# KiCad board yddraig030.kicad_pcb (continued)
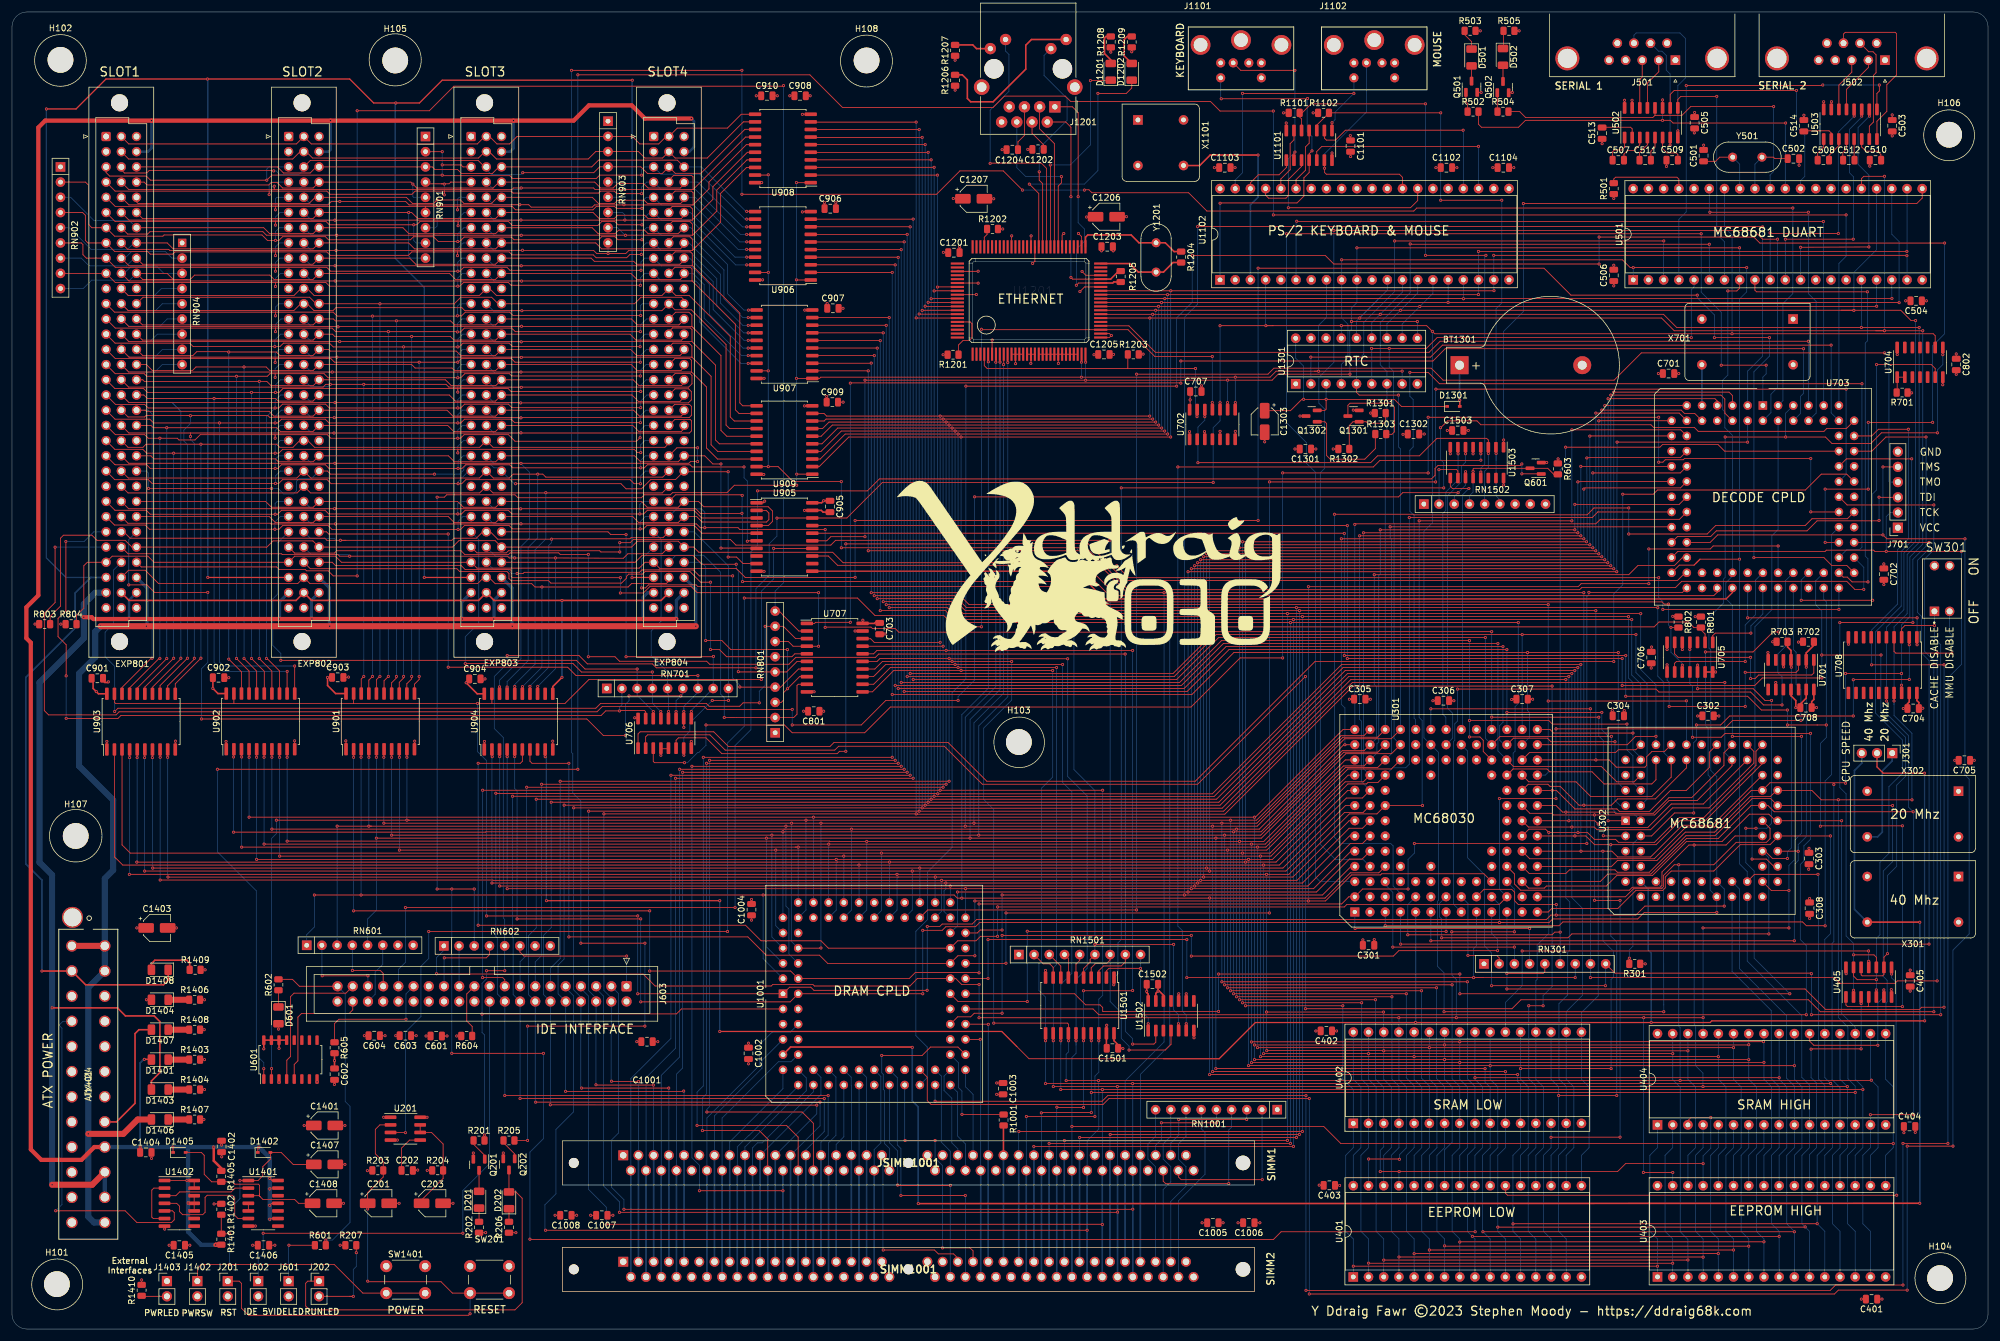
[diagram p0: board, top side]
## Nets (continued)
/ROM and SRAM/D3: JSIMM1001.8 SIMM1001.8 U301.M13 U302.68 U906.7
/ROM and SRAM/D4: JSIMM1001.20 SIMM1001.20 U301.L12 U302.67 U906.4
/ROM and SRAM/D5: JSIMM1001.22 SIMM1001.22 U301.K11 U302.66 U906.5
/ROM and SRAM/D6: JSIMM1001.24 SIMM1001.24 U301.M12 U302.65 U906.2
/ROM and SRAM/D7: JSIMM1001.26 SIMM1001.26 U301.L11 U302.64 U906.3
/ROM and SRAM/D8: JSIMM1001.49 SIMM1001.49 U301.N13 U302.62 U907.8
/ROM and SRAM/D9: JSIMM1001.51 SIMM1001.51 U301.M11 U302.60 U907.9
/ROM and SRAM/D10: JSIMM1001.53 SIMM1001.53 U301.L10 U302.59 U907.6
/ROM and SRAM/D11: JSIMM1001.55 SIMM1001.55 U301.N12 U302.58 U907.7
/ROM and SRAM/D12: JSIMM1001.57 SIMM1001.57 U301.M10 U302.57 U907.4
/ROM and SRAM/D13: JSIMM1001.61 SIMM1001.61 U301.N11 U302.56 U907.5
/ROM and SRAM/D14: JSIMM1001.63 SIMM1001.63 U301.M9 U302.55 U907.2
/ROM and SRAM/D15: JSIMM1001.65 SIMM1001.65 U301.N10 U302.54 U907.3
/ROM and SRAM/D16: J603.4 JSIMM1001.3 SIMM1001.3 U301.N9 U302.50 U401.13 U402.13 U908.9 U1201.95
/ROM and SRAM/D17: J603.6 JSIMM1001.5 SIMM1001.5 U301.M8 U302.49 U401.14 U402.14 U908.8 U1201.94
/ROM and SRAM/D18: J603.8 JSIMM1001.7 SIMM1001.7 U301.N8 U302.48 U401.15 U402.15 U908.7 U1201.93
/ROM and SRAM/D19: J603.10 JSIMM1001.9 SIMM1001.9 U301.N7 U302.47 U401.17 U402.17 U908.6 U1201.92
/ROM and SRAM/D20: J603.12 JSIMM1001.21 SIMM1001.21 U301.M7 U302.46 U401.18 U402.18 U908.5 U1201.91
/ROM and SRAM/D21: J603.14 JSIMM1001.23 SIMM1001.23 U301.N6 U302.45 U401.19 U402.19 U908.4 U1201.90
/ROM and SRAM/D22: J603.16 JSIMM1001.25 SIMM1001.25 U301.M6 U302.44 U401.20 U402.20 U908.3 U1201.88
/ROM and SRAM/D23: J603.18 JSIMM1001.27 SIMM1001.27 U301.N5 U302.42 U401.21 U402.21 U908.2 U1201.87
/ROM and SRAM/D24: J603.17 JSIMM1001.50 SIMM1001.50 U301.M5 U302.40 U403.13 U404.13 U501.25 U707.18 U708.18 U909.9 U1102.12 U1201.36 U1301.14 U1501.18
/ROM and SRAM/D25: J603.15 JSIMM1001.52 SIMM1001.52 U301.N4 U302.39 U403.14 U404.14 U501.16 U707.17 U708.17 U909.8 U1102.13 U1201.37 U1301.13 U1501.17
/ROM and SRAM/D26: J603.13 JSIMM1001.54 SIMM1001.54 U301.N3 U302.38 U403.15 U404.15 U501.24 U707.16 U708.16 U909.7 U1102.14 U1201.38 U1301.12 U1501.16
/ROM and SRAM/D27: J603.11 JSIMM1001.56 SIMM1001.56 U301.M4 U302.37 U403.17 U404.17 U501.17 U707.15 U909.6 U1102.15 U1201.39 U1301.11 U1501.15
/ROM and SRAM/D28: J603.9 JSIMM1001.58 SIMM1001.58 U301.N2 U302.36 U403.18 U404.18 U501.23 U707.14 U909.5 U1102.16 U1201.40 U1501.14
/ROM and SRAM/D29: J603.7 JSIMM1001.60 SIMM1001.60 U301.M3 U302.35 U403.19 U404.19 U501.18 U707.13 U909.4 U1102.17 U1201.41 U1501.13
/ROM and SRAM/D30: J603.5 JSIMM1001.62 SIMM1001.62 U301.L4 U302.34 U403.20 U404.20 U501.22 U707.12 U909.3 U1102.18 U1201.42 U1501.12
/ROM and SRAM/D31: J603.3 JSIMM1001.64 SIMM1001.64 U301.N1 U302.33 U403.21 U404.21 U501.19 U707.11 U909.2 U1102.19 U1201.43 U1501.11
/Serial/RXDA: R504.2 U501.31 U502.12
/Serial/TXDA: R502.2 U501.30 U502.11
Net-(BT1301-Pad1): BT1301.1 D1301.2
Net-(C201-Pad1): C201.1 J201.1 R203.2 SW201.2 U201.2
Net-(C202-Pad1): C202.1 U201.5
Net-(C203-Pad1): C203.1 R204.2 U201.6 U201.7
Net-(C501-Pad1): C501.1 U501.33 Y501.1
Net-(C502-Pad1): C502.1 U501.32 Y501.2
Net-(C507-Pad1): C507.1 U502.1
Net-(C507-Pad2): C507.2 U502.3
Net-(C508-Pad1): C508.1 U503.1
Net-(C508-Pad2): C508.2 U503.3
Net-(C509-Pad1): C509.1 U502.6
Net-(C510-Pad1): C510.1 U503.6
Net-(C511-Pad1): C511.1 U502.4
Net-(C511-Pad2): C511.2 U502.5
Net-(C512-Pad1): C512.1 U503.4
Net-(C512-Pad2): C512.2 U503.5
Net-(C513-Pad2): C513.2 U502.2
Net-(C514-Pad1): C514.1 U503.2
Net-(C1202-Pad1): C1202.1 J1201.R4
Net-(C1204-Pad1): C1204.1 J1201.R5
Net-(C1303-Pad1): C1303.1 D1301.1 Q1302.2 U1301.3 U1301.18
Net-(C1407-Pad1): C1407.1 D1402.2 R1402.1 U1401.1
Net-(C1408-Pad1): C1408.1 D1405.2 R1405.2 U1401.3
Net-(D201-Pad1): D201.1 R202.2
Net-(D201-Pad2): D201.2 Q201.3
Net-(D202-Pad1): D202.1 R206.2
Net-(D202-Pad2): D202.2 J202.1 Q202.3
Net-(D501-Pad1): D501.1 R503.1
Net-(D501-Pad2): D501.2 Q501.3
Net-(D502-Pad1): D502.1 R505.1
Net-(D502-Pad2): D502.2 Q502.3
Net-(D601-Pad1): D601.1 R602.1
Net-(D1201-Pad1): D1201.1 U1201.60
Net-(D1201-Pad2): D1201.2 R1208.2
Net-(D1202-Pad1): D1202.1 U1201.63
Net-(D1202-Pad2): D1202.2 R1209.2
Net-(D1401-Pad1): D1401.1 R1403.1
Net-(D1403-Pad1): D1403.1 R1404.1
Net-(D1404-Pad1): D1404.1 R1406.1
Net-(D1406-Pad1): D1406.1 R1407.1
Net-(D1407-Pad1): D1407.1 R1408.1
Net-(D1408-Pad2): D1408.2 R1409.1
Net-(J202-Pad2): J202.2 R207.2
Net-(J301-Pad1): J301.1 X302.8
Net-(J501-Pad2): J501.2 U502.13
Net-(J501-Pad3): J501.3 U502.14
Net-(J501-Pad7): J501.7 U502.7
Net-(J501-Pad8): J501.8 U502.8
Net-(J502-Pad2): J502.2 U503.13
Net-(J502-Pad3): J502.3 U503.14
Net-(J502-Pad7): J502.7 U503.7
Net-(J502-Pad8): J502.8 U503.8
Net-(J601-Pad1): J601.1 R601.1
Net-(J602-Pad1): J602.1 J603.20
Net-(J603-Pad1): J603.1 RN602.6
Net-(J603-Pad21): J603.21 R604.1
Net-(J603-Pad23): J603.23 RN602.2
Net-(J603-Pad25): J603.25 RN602.4
Net-(J603-Pad29): J603.29 R605.1
Net-(J603-Pad33): J603.33 RN601.4
Net-(J603-Pad35): J603.35 RN601.2
Net-(J603-Pad36): J603.36 RN601.6
Net-(J603-Pad37): J603.37 U601.4
Net-(J603-Pad38): J603.38 U601.5
Net-(J1101-Pad1): J1101.1 U1101.2 U1102.27
Net-(J1101-Pad5): J1101.5 U1101.4 U1102.1
Net-(J1102-Pad1): J1102.1 U1101.6 U1102.28
Net-(J1102-Pad5): J1102.5 U1101.8 U1102.39
Net-(J1201-PadL1): J1201.L1 R1207.2
Net-(J1201-PadL2): J1201.L2 U1201.61
Net-(J1201-PadL3): J1201.L3 U1201.62
Net-(J1201-PadL4): J1201.L4 R1206.2
Net-(J1201-PadR1): J1201.R1 R1205.2 U1201.45
Net-(J1201-PadR2): J1201.R2 R1205.1 U1201.46
Net-(J1201-PadR3): J1201.R3 U1201.59
Net-(J1201-PadR6): J1201.R6 U1201.58
Net-(J1402-Pad1): J1402.1 R1401.2 R1402.2 SW1401.2
Net-(J1403-Pad2): J1403.2 R1410.1
Net-(Q201-Pad1): Q201.1 R201.1
Net-(Q202-Pad1): Q202.1 R205.1
Net-(Q501-Pad1): Q501.1 R502.1
Net-(Q502-Pad1): Q502.1 R504.1
Net-(Q1301-Pad1): Q1301.1 R1301.2 R1302.1
Net-(Q1301-Pad3): Q1301.3 R1303.2
Net-(Q1302-Pad1): Q1302.1 R1303.1
Net-(R501-Pad2): R501.2 U501.37
Net-(R701-Pad2): R701.2 U704.1 U704.2
Net-(R1001-Pad2): R1001.2 U1001.36
Net-(R1201-Pad1): R1201.1 U1201.96
Net-(R1202-Pad1): R1202.1 U1201.77
Net-(R1204-Pad1): R1204.1 U1201.51 Y1201.1
Net-(R1204-Pad2): R1204.2 U1201.50 Y1201.2
Net-(RN301-Pad2): RN301.2 U301.H2
Net-(RN301-Pad3): RN301.3 U301.C3
Net-(RN301-Pad4): RN301.4 U301.A1
Net-(RN1501-Pad2): RN1501.2 U1501.9
Net-(RN1501-Pad3): RN1501.3 U1501.8
Net-(RN1501-Pad4): RN1501.4 U1501.7
Net-(RN1501-Pad5): RN1501.5 U1501.6
Net-(RN1501-Pad9): RN1501.9 U1501.2 U1502.1
Net-(RN1502-Pad2): RN1502.2 U1503.10
Net-(U401-Pad22): U401.22 U405.8
Net-(U402-Pad22): U402.22 U405.11
Net-(U403-Pad22): U403.22 U405.3
Net-(U404-Pad22): U404.22 U405.6
Net-(U501-Pad4): U501.4 U503.9
Net-(U501-Pad7): U501.7 U502.9
Net-(U501-Pad10): U501.10 U503.12
Net-(U501-Pad11): U501.11 U503.11
Net-(U501-Pad12): U501.12 U503.10
Net-(U501-Pad29): U501.29 U502.10
Net-(U701-Pad1): U701.1 U705.6
Net-(U701-Pad3): U701.3 U705.8
Net-(U703-Pad9): U703.9 X701.8
Net-(U1101-Pad1): U1101.1 U1102.38
Net-(U1101-Pad3): U1101.3 U1102.37
Net-(U1101-Pad5): U1101.5 U1102.23
Net-(U1101-Pad9): U1101.9 U1102.24
Net-(U1101-Pad11): U1101.11 U1102.35
Net-(U1101-Pad13): U1101.13 U1102.36
Net-(U1102-Pad3): U1102.3 X1101.5
Net-(U1401-Pad2): U1401.2 U1402.3
Net-(U1401-Pad4): U1401.4 U1401.5
Net-(U1401-Pad6): U1401.6 U1402.4
Net-(U1402-Pad2): U1402.2 U1402.6
Net-(U1502-Pad6): U1502.6 U1503.4

Pads without a net: EXP801 C21; EXP802 C21; EXP803 C21; EXP804 C21; J501 1 4 6 9; J502 1 4 6 9; J603 27 32 34; J1101 2 6; J1102 2 6; J1201 R7; J1401 20 25; JSIMM1001 11 35 36 37 38 46 48 66 71; RN601 7 8; RN602 7 8; RN1502 7 8 9; SIMM1001 11 35 36 37 38 46 48 66 71; U301 B1 B2 B3 C2 D3 D5 E12 F4 F10 J12 J13 K5 M1 M2; U302 15; U501 2 13 14 15 26 27 28 36 38 39; U601 6 7 9 10 11 12; U701 6 8 10 12; U702 2 4 6; U703 35 36 68; U704 3 4 5 10 11 12 13; U705 3 11; U708 5 6 7 8 9 11 12 13 14 15; U904 8 12; U905 8 12; U1001 4 5; U1102 11 21 22 29 30 31 32 33 34; U1201 1 2 3 35 48 49 53 54 55 56 66 67 68 69 71 72 73 74 75 76 78 79 80 81 82 84 85 97 98 99 100; U1301 1 16 17; U1401 8 10 12; U1402 8 9; U1502 3 8 11; U1503 14 15; X301 1; X302 1; X701 1

## Via types
v1: diameter 0.5, hole 0.25, Top to Bottom, 1692 vias

## Routing (per net, layer and track width the routed paths; a pad name or vN(x,y) marks a point on that pad's centre or on a via; arc(x,y) is an arc through that point)
+3.3V: length 259.4
  Top w1: v1(14.8,117.4) v1(22.45,117.4) v1(53.05,117.4) v1(83.55,117.4) v1(114.2,117.4) ; v1(12.75,32.6) 18.6,32.6 21,35 D1406.2 ; J1401.1 J1401.13
  Bottom w0.5: v1(53.05,117.4) 53,117.45 53,123.82 EXP802.C30 ; v1(114.2,117.4) 114.2,123.6 114.18,123.6 EXP804.C30 ; v1(83.55,117.4) 83.5,117.45 83.5,123.8 EXP803.C30 ; v1(22.45,117.4) 22.55,117.5 22.55,123.79 EXP801.C30
  Bottom w1: v1(14.8,117.4) 13.9,116.5 13.9,112.2 11.2,109.5 11.2,94.05 16.9,88.35 16.9,76.65 15.5,75.25 J1401.1 J1401.2 12.75,57.05 v1(12.75,32.6) 12.75,18.75 13.7,17.8 J1401.12
+5V: length 197.2
  Top w0.127: v1(196.65,149.9) 196.66,149.89 U702.1 ; Q1302.3 v1(215.1,152.5) ; C906.1 135.7,188.13 v1(135.68,188.15) ; U902.1 35.78,98.12 v1(35.75,98.15) ; U908.20 125.19,191.49 v1(125.2,191.5) ; R203.1 59.4,26.5 v1(59.35,26.45) ; C1001.1 v1(107.85,48) ; v1(175.65,183) 175.38,182.72 U1201.57 ; v1(199.15,149.9) 199.2,149.85 U702.3 199.2,149.95 ; C909.1 v1(136.05,155.78) ; C401.1 v1(312.3,5) ; v1(8.15,117.75) 8.16,117.74 R804.1 ; U909.20 125.51,142.78 v1(125.55,142.75) ; R1101.1 v1(212.35,203.15) ; C802.1 v1(324.69,162.88) ; C1103.1 v1(200.8,194) ; U1201.70 166.93,182.57 v1(166.95,182.6) ; C1301.1 v1(217.75,147) ; C1205.1 180.75,162.8 v1(180.7,162.75) ; R501.1 v1(267.5,188.85) ; v1(221.2,49.78) 221.19,49.8 C402.1 ; C1207.1 157.25,188.8 v1(157.2,188.85) ; C514.2 v1(299.25,202.75) ; C604.1 v1(62.3,49) ; v1(15.85,98.15) 15.84,98.14 U903.1 ; C505.1 v1(281,203.2) ; U907.20 125.59,158.78 v1(125.6,158.8) ; C1007.1 v1(100.35,19) ; C301.1 v1(227.5,65.05) ; R802.1 277.4,119 v1(277.35,119.05) ; U904.1 78.88,98.13 v1(78.9,98.15) ; v1(221.71,23.99) 221.69,24 C403.1 ; C1003.1 v1(164.45,41.1) ; R803.1 3.86,117.74 v1(3.85,117.75) ; v1(249.1,141) 249.09,141.01 U1503.16 ; Q201.2 v1(77.05,29.4) ; C1403.1 v1(20.85,67) ; U1201.31 183.28,165.62 v1(183.6,165.95) 183.28,166.28 181.81,166.28 ; v1(55.75,98.25) 55.78,98.22 U901.1 ; v1(315.95,32.8) 315.95,32.8 C404.1 ; v1(306.3,59.35) 306.27,59.38 U405.14 ; C405.1 v1(317,59.95) ; C1008.1 v1(94.3,19) ; v1(232.3,149.45) 232.35,149.5 C1302.1 ; 302.56,203.82 302.56,205 v1(302.55,205) ; C908.1 v1(129.9,206) ; C1002.1 v1(123,47.75) ; C707.1 v1(196.75,155.2) 196.75,153.67 196.66,153.57 ; v1(278.95,113.5) 278.94,113.51 U705.5 ; C705.1 v1(327.7,95) ; U1201.47 179.32,176.03 v1(178.7,176.65) ; C801.1 v1(135.55,103.2) ; v1(269.3,205.25) 269.31,205.25 269.31,204.07 ; C1104.1 v1(247.3,194) ; 170.18,162.83 170.18,161.32 v1(170.15,161.3) ; R1102.1 v1(217.3,203.15) ; 157.88,172.78 161.03,172.78 v1(161.05,172.8) ; U201.4 v1(64.36,31.56) ; C1201.1 155.6,179.8 v1(155.55,179.85) ; C506.1 v1(267.5,174.25) ; C1006.1 v1(208.4,17.75) ; C1406.1 v1(43.9,14) ; 44.6,47.57 44.59,47.57 ; R301.1 v1(272.75,61) ; C1004.1 v1(123.5,68.3) ; C504.1 v1(319.7,171.75) ; 68.17,35.37 v1(69.31,35.37) ; C907.1 136.15,171.28 v1(136.13,171.3) ; R801.1 v1(281.1,119) ; C601.1 v1(72.65,48.95) ; C1102.1 v1(237.8,194) ; R701.1 317.19,156.43 v1(317.24,156.38) ; U704.14 314.83,162.78 v1(314.84,162.78) ; v1(223.5,199.35) 223.54,199.31 C1101.1 ; v1(142.1,118.4) 142.05,118.35 U707.20 ; 104.56,102.07 104.03,102.07 v1(104,102.1) ; R1301.1 v1(226.9,153) ; v1(163.7,165.2) 163.68,165.18 163.68,162.83 ; v1(267.25,103.3) 267.31,103.24 C304.1 ; 170.18,180.76 170.18,182.57 v1(170.2,182.6) ; v1(125.35,175.25) 125.33,175.23 U906.20 ; v1(258.2,145.35) 258.16,145.31 R603.1 ; Q501.2 245.32,206.57 v1(245.35,206.55) ; D601.2 v1(44.5,50.1) ; U1101.14 212.82,201.43 v1(212.8,201.45) ; R204.1 v1(69.35,26.5) ; C1005.1 v1(202.25,17.75) ; C1503.1 v1(239.7,150.1) ; Q202.2 v1(82.05,29.4) ; C701.1 v1(274.95,159.6) ; v1(319.1,103.7) 319.05,103.65 C704.1 ; C706.1 v1(273.76,110.41) ; C503.1 v1(314,202.8) ; C903.1 v1(52.7,108.85) ; C513.1 v1(265.55,198) ; U1201.17 U1201.15 ; D1404.2 v1(22.45,55) ; v1(250.55,206.55) 250.51,206.51 Q502.2 ; v1(201.75,149.95) 201.74,149.94 U702.5 ; C603.1 v1(67.5,49) ; C1401.1 v1(48.8,34) ; C1405.1 v1(29.7,14) ; C910.1 v1(124.3,206)
  Top w0.254: v1(42.06,46.81) U601.16 U601.13 ; R1209.1 v1(187,213.35) ; 13.55,108 13.55,107 v1(14.08,106.47) 14.44,106.11 U903.20 ; v1(185.53,46.85) 185.47,46.9 C1501.1 184.72,47.47 184.04,48.16 U1501.20 ; U1502.14 189.75,55.95 189.5,56.2 v1(189.5,56.4) C1502.1 ; C308.1 v1(300.2,71.9) ; C704.1 318.45,104.65 318.12,104.99 318.12,106.25 ; R702.1 298.4,114.8 v1(298.35,114.75) ; C305.1 223.37,105.22 v1(223.35,105.2) ; C307.1 250.52,105.22 v1(250.45,105.15) ; C902.1 v1(33.55,107) 34.4,106.15 U902.20 ; v1(52.7,108.85) 52.7,107.5 54.05,106.15 U901.20 ; 76.6,108 75.9,108 v1(75.85,107.95) 77.69,106.11 U904.20 ; U707.20 144.01,117.87 144.4,118.25 ; C602.1 v1(53.86,44.84) R605.2 ; v1(281.5,102.4) 281.53,102.43 C302.1 ; v1(237.3,104.95) 237.32,104.97 C306.1 ; C905.1 v1(135.55,138.35) 135.22,138.01 U905.20 ; R1208.1 v1(183.5,213.3) ; U705.13 U705.14 v1(284.5,109.75) ; C702.1 v1(312.6,127.8) ; C1206.1 179.5,185.8 v1(179.45,185.75) ; C1203.1 v1(181.95,180.1) ; R703.1 v1(294.05,114.8) ; v1(301.35,103.8) C708.1 300.55,104.8 300.91,105.16 300.91,106.82 ; v1(44.6,46.88) 44.6,47.57 ; R1207.1 v1(157.5,211.95) ; C303.1 v1(300.1,80.3) ; R1206.1 v1(157.5,206.95)
  Bottom w0.127: U401.32 224,29.02 225.27,30.29 225.27,40.45 224,41.72 U402.32
+5V_SB: length 426.2
  Top w0.127: v1(43.05,25.15) 43.39,24.81 U1401.14 ; C1402.1 v1(35,30.75) ; U1401.9 43.16,18.46 v1(43.05,18.35) ; 30.42,22.27 30.42,21 ; 30.42,21 29.45,21 v1(29.4,21.05) ; 30.42,21 30.42,19.73 ; D1405.1 26.9,30.38 v1(26.88,30.4) ; D1402.1 41.05,30.2 v1(41.25,30.4) ; 30.42,23.54 30.42,24.81 v1(29.21,24.81) U1402.1 ; v1(43.05,23.4) 43.19,23.54 U1401.13 ; C1404.1 v1(21.4,30.4) ; v1(43.05,20.65) 43.4,21 U1401.11
  Top w0.254: D1401.2 23.24,45.05 v1(22.1,45.05)
  Top w0.4: R1405.1 34.95,26.85 33.7,28.1 v1(33.7,30.4)
  Top w0.7: v1(34,14.05) 34.04,14.09 R1401.1 ; v1(113.45,202.2) 105.7,202.2 103.5,204.4 96.35,204.4 93.8,201.85 v1(83.75,201.85) v1(53.2,201.85) v1(23.3,201.85) 5.55,201.85 4.4,200.7 4.4,122.55 2.4,120.55 2.4,115.4 3.15,114.65 3.15,30 4.9,28.25 11.6,28.25 13.75,30.4 J1401.9
  Bottom w0.127: 34.74,30.4 35,30.66 v1(35,30.75) ; 41.94,29.71 v1(41.25,30.4)
  Bottom w0.254: v1(22.1,45.05) 22,45.05 21.4,44.45 v1(21.4,30.4)
  Bottom w0.4: EXP802.C2 52.86,196.66 53.2,197 v1(53.2,201.85) ; v1(83.75,201.85) 83.75,197.2 83.21,196.66 EXP803.C2 ; v1(113.45,202.2) 113.9,201.75 113.9,197.45 113.11,196.66 EXP804.C2 ; v1(23.3,201.85) 23.3,197.25 22.71,196.66 EXP801.C2
  Bottom w0.7: 34.74,30.4 34.37,30.4 ; 34.37,30.4 v1(33.7,30.4) 29.4,30.4 ; 34.37,30.4 v1(41.25,30.4) 43.05,28.6 v1(43.05,25.15) v1(43.05,23.4) v1(43.05,20.65) v1(43.05,18.35) ; v1(34,14.05) 31.6,14.05 29.4,16.25 v1(29.4,21.05) 29.4,30.4 ; 29.4,30.4 v1(26.88,30.4) v1(21.4,30.4) J1401.9
+12V: length 284.9
  Top w0.254: v1(6.7,53.65) 17.6,53.65 18.95,52.3 23.75,52.3 24.7,51.35 24.7,42.85 23.29,41.44 D1403.2
  Top w0.7: v1(110.95,118.6) v1(105.4,118.6) v1(80.45,118.6) v1(75.2,118.6) v1(50.1,118.6) v1(44.65,118.6) v1(19.55,118.6) 13.6,118.6 13.3,118.9 v1(12,118.9)
  Top w1: v1(6.7,24.1) 13.4,24.1 J1401.10
  Bottom w0.4: EXP801.C31 19.55,121.75 v1(19.55,118.6)
  Bottom w0.5: v1(110.95,118.6) 110.95,121.71 EXP804.C31 ; EXP802.A31 44.7,121.5 44.7,118.65 v1(44.65,118.6) ; EXP803.C31 80.5,121.74 80.5,118.65 v1(80.45,118.6) ; EXP802.C31 50,121.72 50,118.7 v1(50.1,118.6) ; v1(105.4,118.6) 105.4,122.25 106.15,123 EXP804.A31 ; EXP803.A31 75.1,121.42 75.1,118.7 v1(75.2,118.6)
  Bottom w0.7: J1401.10 J1401.11
  Bottom w1: EXP801.A31 13.9,123 12,121.1 v1(12,118.9) 12,115.4 4.6,108 4.6,77.95 6.7,75.85 v1(6.7,53.65) v1(6.7,24.1)
-12V: length 560.1
  Top w0.2: v1(5.75,203.8) 10.7,203.8 15.7,208.8 v1(32.65,208.8) 56.4,208.8 60.4,204.8 v1(64.1,204.8) 68.05,204.8 71.85,208.6 v1(103.6,208.6) ; EXP802.A30 32.71,125.54 v1(32.7,125.55) ; v1(68.85,125.55) 68.86,125.54 EXP803.A30 ; EXP804.A30 103.59,125.54 v1(103.55,125.5)
  Top w0.254: D1408.1 26.09,58.29 25.3,57.5 12.3,57.5 J1401.14 v1(5,59.8)
  Bottom w0.2: v1(103.55,125.5) 103.55,208.55 v1(103.6,208.6) ; v1(32.7,125.55) 32.7,208.75 v1(32.65,208.8) ; v1(68.85,125.55) 68.85,174 64,178.85 64,204.7 v1(64.1,204.8) ; EXP801.A30 9.01,125.54 5.75,128.8 v1(5.75,203.8)
  Bottom w0.254: EXP801.A30 13.14,125.54 10.55,122.95 10.55,117.1 2.3,108.85 2.3,77.7 5,75 v1(5,59.8)
GND: length 180.9
  Top w0.127: v1(145.8,116.1) 145.75,116.05 C703.2 ; C1001.2 v1(104.35,48) ; Q601.2 256.28,144.73 v1(256.3,144.75) ; v1(161.35,174.7) 161.32,174.72 U1201.86 ; C1406.2 v1(40.2,14) ; R1302.2 v1(220.65,147) ; v1(25.5,16.7) 25.5,17.16 U1402.7 ; v1(204.3,149.95) 204.3,148.64 U702.7 ; C910.2 v1(127.8,206) ; C704.2 v1(315.85,103.65) ; v1(224,153.5) 224.05,153.45 Q1301.2 ; v1(270.55,205.25) 270.57,205.22 270.57,204.07 ; C1003.2 v1(164.45,39.2) ; 188.18,162.8 188.85,162.8 v1(188.9,162.85) ; v1(178.1,183) 178.62,182.47 U1201.52 ; v1(27.3,98.2) 27.27,98.17 U903.10 ; v1(132.4,170.2) 132.41,170.22 U907.10 ; C1404.2 v1(23.3,28.5) ; C304.2 269.21,103.26 v1(269.25,103.3) ; C705.2 v1(324.45,95) ; C1408.2 v1(55.35,21) ; C1008.2 v1(90.7,19) ; C402.2 217.77,49.8 v1(217.75,49.78) ; v1(280.95,199.8) 281,199.85 C505.2 ; v1(108.37,95.84) 108.37,96.93 109.63,96.93 ; U901.10 67.25,96.88 v1(67.25,98.2) ; R1407.2 v1(32.05,35) ; 303.82,203.82 303.82,204.97 v1(303.85,205) ; U704.7 322.45,157.74 v1(322.44,157.72) ; v1(170.45,178) 170.82,178.38 U1201.64 ; C907.2 v1(138.78,170.5) ; C1401.2 v1(55.6,34) ; C501.2 v1(282.5,197.75) ; C909.2 v1(138.8,154.82) ; R1408.2 v1(32.1,50) ; v1(35.02,28.77) 35,28.79 C1402.2 ; 125.49,138.01 125.49,138.08 v1(125.7,138.3) ; 125.49,138.01 U905.1 ; 125.49,138.01 125.56,138.01 125.6,138.05 ; U905.10 125.56,126.58 v1(125.6,126.55) ; v1(313.85,56.7) 313.89,56.66 U405.7 ; U902.10 47.22,98.24 v1(47.2,98.25) ; C802.2 v1(324.69,159.47) ; C202.2 67.7,26.5 v1(67.75,26.55) ; C303.2 300.1,76.85 v1(300.05,76.8) ; U1201.28 U1201.18 ; v1(40.65,17.2) 40.64,17.19 U1401.7 ; C509.2 v1(276.3,194.2) ; C1201.2 v1(158.25,180.8) ; U1502.9 v1(196.1,56) ; C801.2 v1(132.2,103.2) ; U201.1 v1(62.08,35.37) ; C1006.2 v1(204.75,17.75) ; v1(132,186.6) 132.06,186.66 U906.10 ; C1005.2 v1(198.75,17.75) ; v1(132,202.9) 132.01,202.91 U908.10 ; v1(79.1,16.1) 79.09,16.09 R202.1 ; v1(113.45,98.15) 113.44,97.94 113.44,96.93 ; R604.2 v1(74.28,48.95) ; U1101.7 220.44,196.44 v1(220.45,196.45) ; C504.2 v1(316.25,171.75) ; R207.1 v1(54.8,14) ; C404.2 317.85,32.85 v1(317.85,32.85) ; C1102.2 v1(241.3,194) ; C1007.2 v1(96.65,19) ; R1201.2 v1(155.5,162.75) ; U1201.12 167.57,161.28 v1(167.6,161.25) ; C603.2 v1(64.1,49) ; R206.1 84.14,16.09 v1(84.15,16.1) ; R1202.2 v1(165.45,183.75) ; C1503.2 v1(243.2,150.1) ; C701.2 v1(278.35,159.6) ; C403.2 218.34,24 v1(218.31,24.03) ; C503.2 v1(314,199.3) ; C1207.2 v1(163.95,188.8) ; C1302.2 v1(235.85,149.5) ; U904.10 90.31,98.19 v1(90.3,98.2) ; C903.2 56.15,108.85 v1(56.2,108.9) ; C301.2 v1(225.6,65) ; C707.2 v1(198.65,157.55) ; v1(137.58,188.15) 137.6,188.13 C906.2 ; v1(244,146.2) 244.01,146.21 U1503.5 ; U909.10 132.37,154.22 v1(132.35,154.2) ; R1410.2 v1(21.65,8.2) ; C706.2 273.76,113.86 v1(273.81,113.91) ; v1(194.85,56) 194.83,55.98 U1502.10 ; v1(306.7,114.4) 306.69,114.41 U708.10 ; C506.2 v1(267.5,177.7) ; U1201.23 174.72,161.32 v1(174.75,161.3) ; R1409.2 v1(32.25,60) ; U1201.14 U1201.11 ; C203.2 v1(73.65,21) ; U705.7 v1(276.4,113.5) ; R503.2 v1(245.2,216.85) ; C405.2 v1(317,56.45) ; v1(172.6,59.9) 172.61,59.89 U1501.10 ; v1(140.8,116.6) 140.81,116.59 U707.19 140.85,116.59 140.85,116.6 ; v1(197.4,48.65) 197.37,48.68 U1502.7 ; C510.2 v1(310.25,194.25) ; v1(161.35,176.7) 161.32,176.68 U1201.83 ; U707.10 133.94,106.44 v1(133.95,106.45) ; C1002.2 v1(123,44.3) ; C604.2 v1(58.85,49) ; 78.5,108 v1(79,108.6) ; C1101.2 223.54,195.86 v1(223.55,195.85) ; C601.2 v1(69.15,48.95) ; C1303.2 v1(209.2,148.2) ; C201.2 v1(64.65,21) ; C1403.2 v1(27.45,67) ; C1104.2 v1(250.8,194) ; C502.2 v1(298.45,194.4) ; C908.2 v1(133.3,206) ; R1403.2 v1(32.15,45) ; U1201.44 179.12,174.07 v1(178.35,173.3) ; R1404.2 v1(32.15,40) ; C1407.2 v1(55.6,27.5) ; C1405.2 v1(26.25,14) ; C1103.2 v1(204.25,194) ; C1004.2 v1(123.5,71.75) ; C1205.2 v1(183.95,162.8) ; R1406.2 v1(32.15,55) ; C401.2 v1(308.85,5) ; U1503.8 v1(240.2,146.2) ; C1301.2 v1(214.25,147)
  Top w0.254: U1502.12 192.29,55.76 191.6,56.45 v1(191.4,56.45) ; C1203.2 183.85,180.15 v1(183.9,180.1) ; C905.2 135.45,136.45 135.16,136.75 U905.19 132.35,136.75 v1(132.35,136.75) ; R505.2 v1(251.7,216.85) ; C702.2 v1(312.6,124.35) ; 15.45,108 16,108 v1(16.1,108.1) ; 297.1,106.82 297.1,105.78 297.9,104.98 v1(297.9,103.8) C708.2 298.65,104.4 299.64,105.39 299.64,106.82 ; C308.2 v1(300.2,68.6) ; C1202.2 v1(169.65,197.05) ; C1502.2 v1(191.4,56.45) ; v1(191.4,56.45) 191.02,56.07 U1502.13 ; C302.2 285.02,102.43 v1(285.05,102.4) ; v1(295.85,110.6) 295.83,110.62 U701.5 ; U708.19 316.85,104.75 316.55,104.45 C704.2 ; v1(226.85,105.2) 226.83,105.22 C305.2 ; 182.82,46.9 182.77,46.96 U1501.19 182.77,50.69 v1(182.82,50.75) ; C1204.2 v1(165.35,197) ; C306.2 240.78,104.97 v1(240.8,104.95) ; U701.7 293.29,112.96 v1(293.25,113) ; v1(53.85,40.85) 53.86,40.87 C602.2 ; C307.2 253.93,105.22 v1(253.95,105.2) ; C902.2 v1(36.2,108.8) ; 44.59,41.25 v1(44.6,41.25) ; 50.94,41.31 v1(50.95,41.3) ; v1(294.55,108) 294.56,107.99 294.56,106.82 ; C1206.2 v1(186.1,185.8)
/CPU and FPU/CLK40MHZ: length 301.2
  Top w0.254: v1(318.6,67.95) 318.58,67.97 X301.8 ; v1(150.35,47.05) 150.25,47.1 130.02,47.1 U1001.9 ; v1(151.35,20.95) v1(318.6,21)
  Bottom w0.254: X301.8 307.7,70.09 307.7,93.3 308.92,94.52 J301.3 ; v1(151.35,20.95) 151.35,37.1 150.35,38.1 v1(150.35,47.05) ; v1(318.6,67.95) v1(318.6,21)
/CPU and FPU/CPU_CLK: length 376.7
  Top w0.127: 167.8,47.2 169.85,45.15 192.35,45.15
  Top w0.2: J301.2 311.46,93.89 312.5,92.85 v1(319.4,92.85) ; v1(89.05,95.6) 89.05,96.8 U904.9 ; v1(319.42,51.48) 283.88,51.48 283.6,51.2 v1(273.75,51.2) v1(234.4,51.2) 207.65,51.2 201.6,45.15 192.35,45.15 ; v1(118.2,49.7) 165.3,49.7 167.8,47.2 ; v1(118.2,71.55) v1(89.25,71.55)
  Bottom w0.2: v1(89.05,95.6) 89.25,95.4 v1(89.25,71.55) ; U302.11 273.25,73.5 273.25,63.3 273.75,62.8 v1(273.75,51.2) ; U301.E1 234.41,51.26 v1(234.4,51.2) ; v1(319.42,51.48) 319.4,51.5 v1(319.4,92.85) ; v1(118.2,49.7) v1(118.2,71.55)
/CPU and FPU/FC0: length 166.5
  Top w0.127: v1(270,137.15) 264.2,137.15 263.05,136 234.15,136 234.05,136.1 v1(220.85,136.1) ; v1(270,132.8) 283.1,132.8 284.5,134.2 299.45,134.2 300.6,135.35 306.51,135.35 U703.62
  Bottom w0.127: v1(220.85,136.1) 220.85,82.15 221.9,81.1 230.25,81.1 230.65,80.7 230.65,74 231.87,72.78 U301.D2 ; v1(270,132.8) v1(270,137.15)
/CPU and FPU/FC1: length 143.8
  Top w0.127: v1(302.8,67.35) 302.72,67.37 299.67,67.37 299.03,68 259,68 258.37,67.37 v1(229.33,67.37)
  Bottom w0.127: U301.C1 v1(229.33,67.37) ; v1(302.8,67.35) 302.8,91.55 303.85,92.6 303.85,132.69 U703.61
/CPU and FPU/FC2: length 174.8
  Top w0.127: v1(320.15,64.3) v1(231.9,64.3) ; v1(320.15,131.4) U703.58
  Bottom w0.127: v1(320.15,64.3) 320.15,111.65 318.87,112.93 318.87,119.06 318.23,119.7 318.23,128.42 320.15,130.33 v1(320.15,131.4) ; v1(231.9,64.3) 231.87,64.33 U301.D1
/CPU and FPU/R/~{W}: length 718.3
  Top w0.127: v1(142.45,158.5) 210.45,158.5 211.45,159.5 v1(223.45,159.5) ; v1(288.5,180.6) v1(224.6,180.6) ; v1(287.3,99) v1(298.85,99) ; v1(70.9,59.35) 70.95,59.3 105.4,59.3 107.4,57.3 126.8,57.3 127.05,57.55 133.75,57.55 134,57.3 149.95,57.3 151.19,58.54 U1001.46 157.61,58.54 158.6,57.55 v1(161.5,57.55) ; U501.8 288.53,173.88 288.05,173.4 v1(286.55,173.4) ; v1(250.9,66.35) v1(240.45,66.35) ; v1(282.4,67) v1(296.75,67) ; U302.28 293.82,73.25 v1(296.75,73.25) ; v1(142.45,132.35) 136.75,132.35 136.06,131.67 U905.15 ; v1(234.7,168.3) v1(223.7,168.3) ; U1201.30 179.28,161.53 v1(179.3,161.5) ; v1(282.42,52.02) 282.4,52 v1(272.5,52) v1(241.2,52) v1(231.6,52) v1(161.5,52) ; v1(203,154.75) 203.01,154.74 203.01,153.57 ; v1(226.55,28.4) 231.65,28.4 v1(231.7,28.35) ; v1(277.35,26.15) v1(272.45,26.15)
  Bottom w0.127: v1(250.9,66.35) 250.9,73.49 U301.L3 ; 223.7,169.15 v1(223.7,168.3) ; 223.7,169.15 223.7,170.55 224.6,171.45 U1102.10 v1(224.6,180.6) ; 223.7,169.15 223.7,167 223.4,166.7 v1(223.45,159.5) ; U401.31 226.54,28.39 v1(226.55,28.4) ; U403.31 277.34,26.14 v1(277.35,26.15) ; v1(142.45,132.35) v1(142.45,158.5) ; U404.29 v1(282.42,52.02) 282.42,66.98 v1(282.4,67) ; v1(161.5,52) v1(161.5,57.55) ; v1(70.9,59.35) 70.9,62.05 72.12,63.27 RN602.1 ; v1(179.3,158.5) v1(179.3,161.5) ; v1(272.5,52) 272.45,51.95 v1(272.45,26.15) ; v1(240.45,66.35) 240.45,59.15 241.2,58.4 v1(241.2,52) ; v1(298.85,99) 298.85,82.8 297.65,81.6 297.65,78.35 296.75,77.45 v1(296.75,67) ; v1(287.3,99) 287.3,120.9 286.2,122 286.2,124.65 287.3,125.75 287.3,126.3 U703.40 287.32,149.28 286.05,150.55 286.05,153.2 285.65,153.6 285.65,158.45 286.55,159.35 v1(286.55,173.4) ; v1(231.7,28.35) 231.7,29.1 232.85,30.25 232.85,40.45 231.62,41.68 U402.29 231.62,51.98 v1(231.6,52) ; U1301.10 v1(234.7,168.3) ; v1(288.5,180.6) 288.53,180.57 U501.8 ; v1(203,158.5) v1(203,154.75)